# Altium PCB eva01.PcbDoc (part 3 of 4)
Units mm, origin at the board's own origin, x right, y up, seen from the top; angles counter-clockwise.
Board outline 84 x 120 mm, 4 copper layers (Top Layer, Inner, GND, Bottom Layer), stack 1.668 mm thick; 205 components, 261 nets, 1028 pads, 1169 vias.
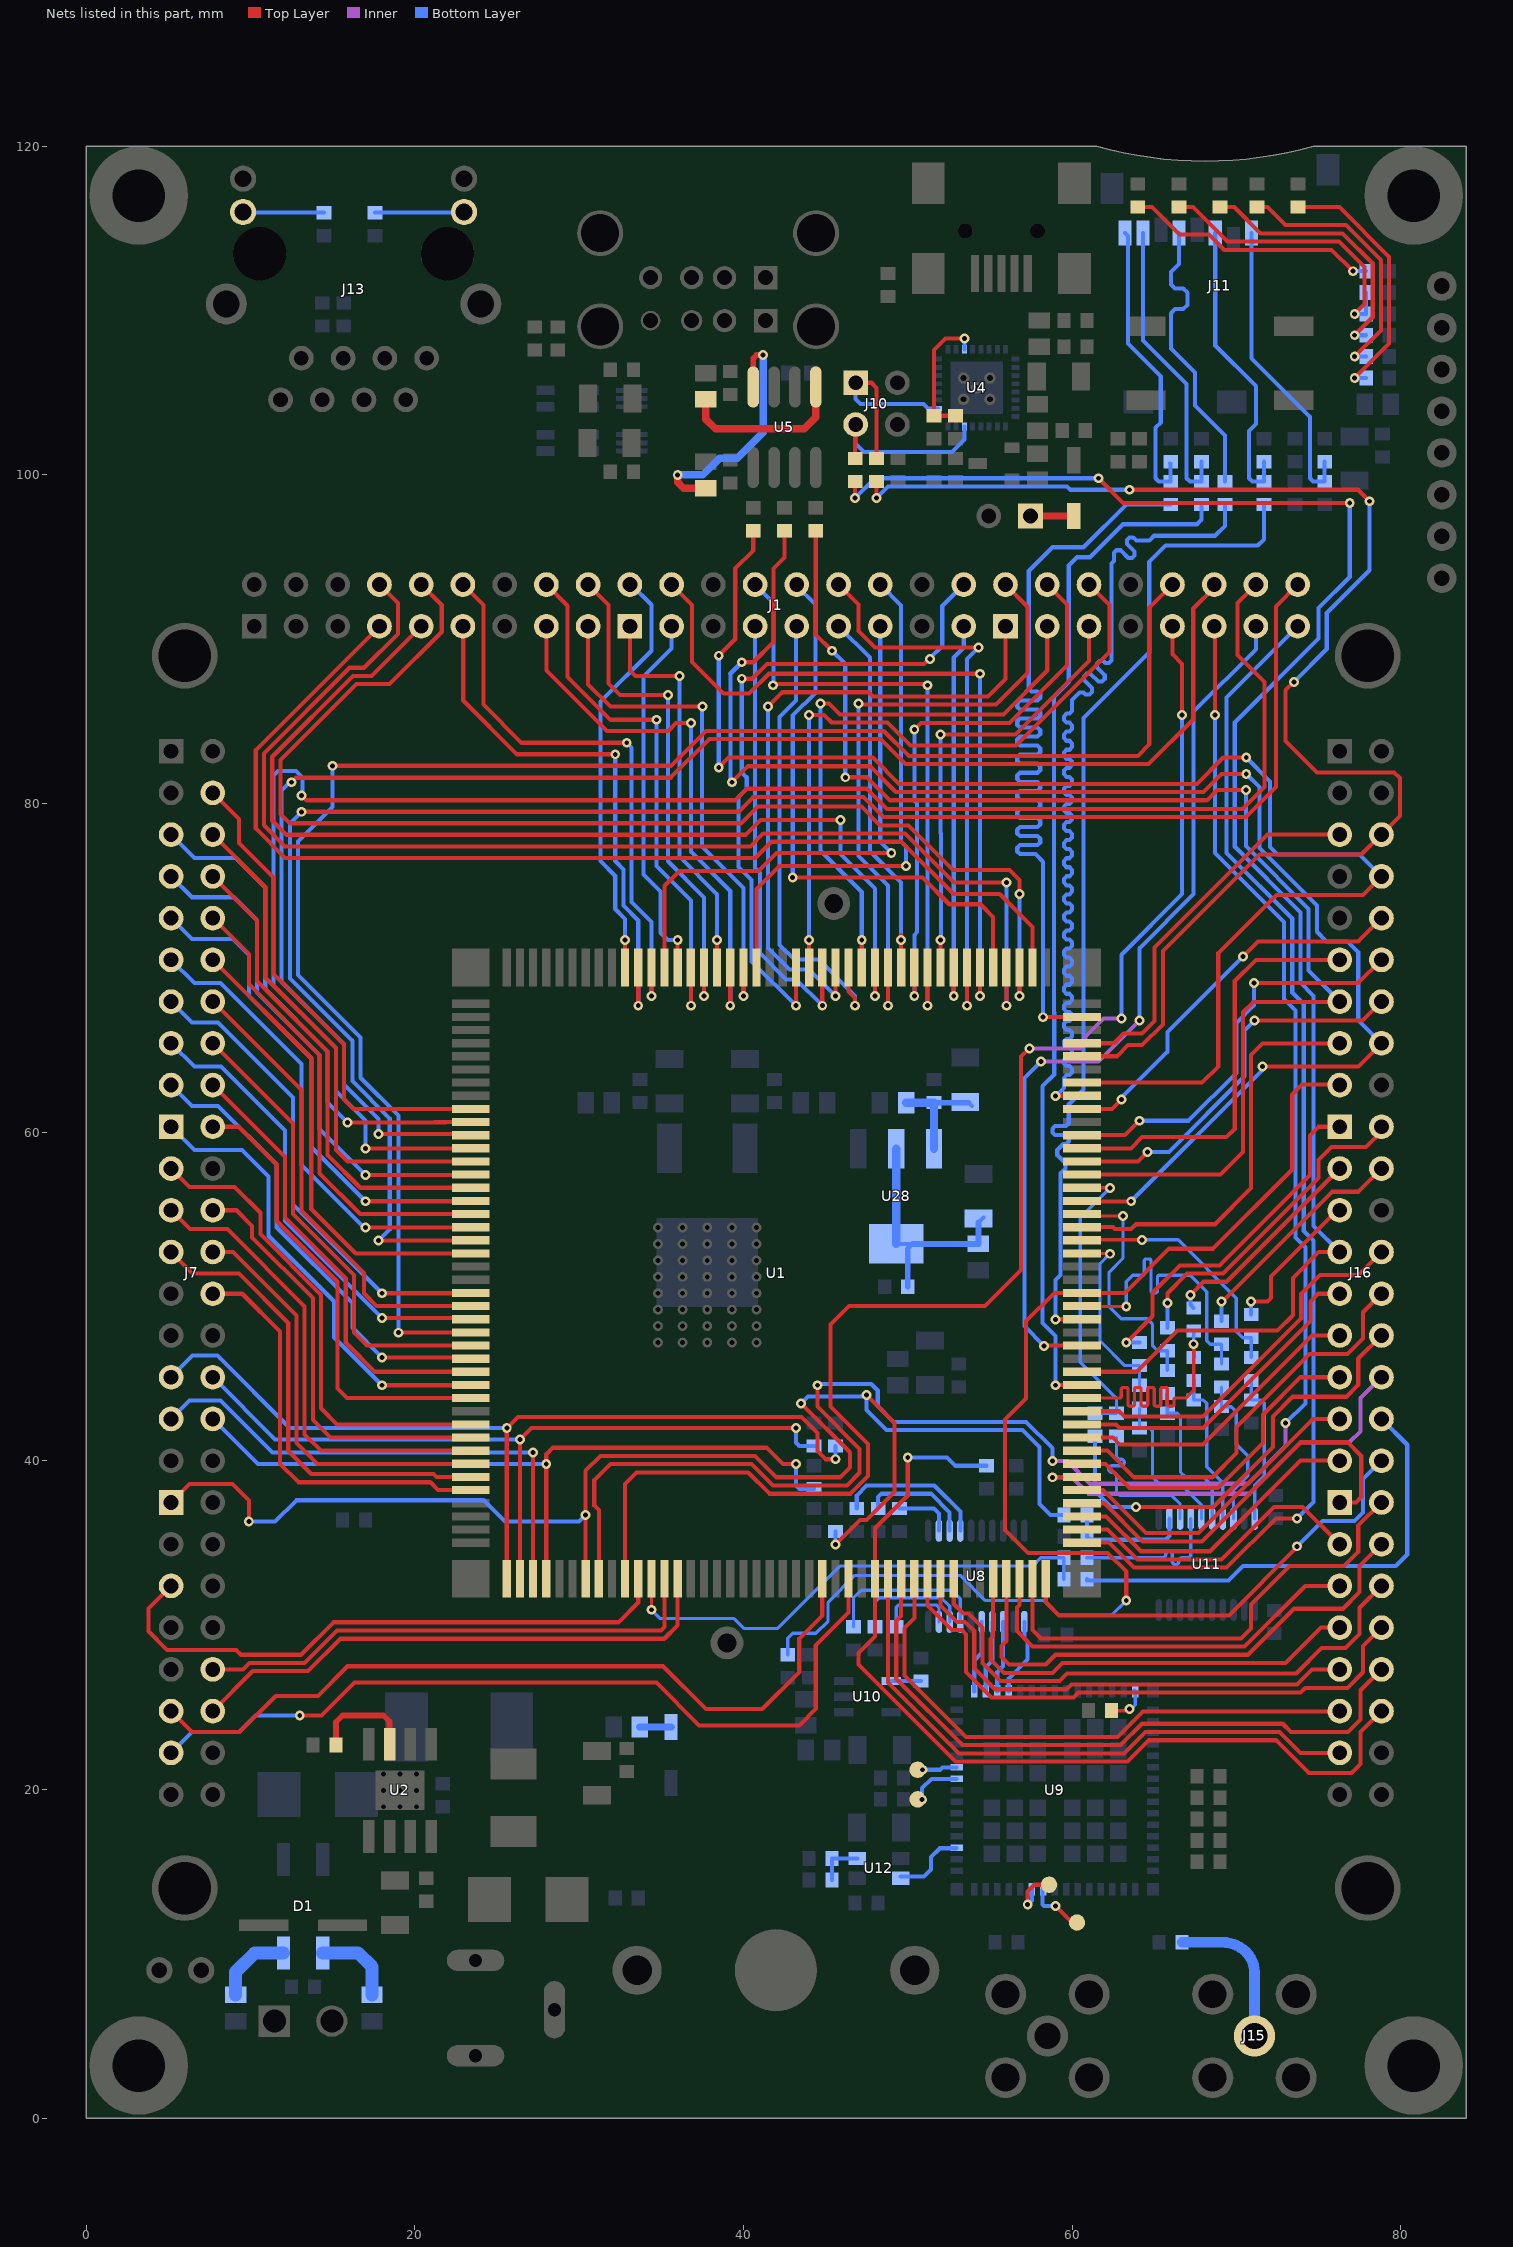
[diagram p5: the nets of this part, all layers, seen from the top]

## Via types
v1: diameter 0.6, hole 0.3, Top Layer to Bottom Layer, 1165 vias
v2: diameter 0.5, hole 0.25, Top Layer to Bottom Layer, 4 vias

## Nets (pads, with @x,y where several pads share a name; then routed paths per layer and width w, separated by ;. In a path a pad name is that pad's centre, name@x,y a point inside that pad or via, vN(x,y) a via of type N, cw(c..) or ccw(c..) an arc to the next point about the centre after c; other vN are vias at no path point) (continued)
NetC46_2: C46.2 J15.1 | length 9.3
  Bottom Layer w0.65: C46.2@66.7,10.7 69.151,10.7 cw(c69.151,8.651) 70.6,10.1 cw(c69.393,8.893) 71.1,8.893 J15.1@71.1,5
NetC49_1: C49.1 C73.2 L12.2 U28.3 | length 6.9
  Bottom Layer w0.25: C49.1@53.7,61.8 C49.1@53.9,61.6
  Bottom Layer w0.35: C73.2@51.6,61.8 C49.1@53.7,61.8
  Bottom Layer w0.5: L12.2@49.9,61.8 C73.2@51.6,61.8 U28.3@51.6,59
NetC50_1: C50.1 C74.2 L16.2 U28.2 U28.4 | length 15
  Bottom Layer w0.25: U28.4@49.5,53.2 50.3,53.2 U28.4@50,52.9 ; C50.1@54.3,54.5 C50.1@54.6,54.8
  Bottom Layer w0.35: C74.2@50,50.6 U28.4@50,52.9 ; U28.4@50.3,53.2 L16.2@54.3,53.2 C50.1@54.3,54.5
  Bottom Layer w0.5: U28.4@49.3,53.2 U28.2@49.3,59
NetD1_AC1: D1.AC1 L3.2 | length 4.8
  Bottom Layer w0.8: L3.2@9.1,7.5 9.1,8.9 10.25,10.05 D1.AC1@12,10.05
NetD1_AC2: D1.AC2 L2.2 | length 5.1
  Bottom Layer w0.8: D1.AC2@14.4,10.05 16.55,10.05 17.4,9.2 L2.2@17.4,7.5
NetD3_2: D3.2 R14.2 R15.2 | length 17.9
  Top Layer w0.25: D3.2@66.5,116.3 67.37,116.3 69.469,114.2 76.255,114.2 77.8,112.655 77.8,110.4 v1(77.2,109.8)
  Bottom Layer w0.25: v1(77.2,109.8) R14.2@77.9,109.8 R15.2@77.9,111.1
NetD4_2: D4.2 R16.2 | length 16.2
  Top Layer w0.25: D4.2@69,116.3 69.87,116.3 71.469,114.7 76.462,114.7 78.3,112.862 78.3,109.6 v1(77.2,108.5)
  Bottom Layer w0.25: v1(77.2,108.5) R16.2@77.9,108.5
NetD5_2: D5.2 R17.2 | length 16.1
  Top Layer w0.25: D5.2@71.25,116.3 71.9,116.3 73,115.2 76.669,115.2 78.8,113.069 78.8,108.8 v1(77.2,107.2)
  Bottom Layer w0.25: v1(77.2,107.2) R17.2@77.9,107.2
NetD6_2: D6.2 L17.1 | length 1.9
  Bottom Layer w0.45: L17.1@33.7,23.8 D6.2@35.6,23.8
NetD7_1: D7.1 J4.1 | length 2.6
  Top Layer w0.45: J4.1@57.47,97.5 D7.1@60.1,97.5
NetD8_2: D8.2 R8.2 | length 15.5
  Top Layer w0.25: D8.2@64,116.3 64.87,116.3 66.538,114.631 68.331,114.631 69.262,113.7 75.8,113.7 v1(77.1,112.4)
  Bottom Layer w0.25: v1(77.1,112.4) R8.2@77.9,112.4
NetD17_2: D17.2 R150.2 | length 15.7
  Top Layer w0.25: D17.2@73.75,116.3 76.276,116.3 79.3,113.276 79.3,108 v1(77.2,105.9)
  Bottom Layer w0.25: v1(77.2,105.9) R150.2@77.9,105.9
NetJ10_1: J10.1 R38.2 U4.2 | length 12
  Top Layer w0.25: J10.1@46.83,105.61 47.79,105.61 48.1,105.3 R38.2@48.1,101
  Bottom Layer w0.25: J10.1@46.83,105.61 46.83,104.61 47.12,104.32 50.96,104.32 51.23,104.05 U4.2@51.85,104.05
NetJ10_3: J10.3 R37.2 U4.30 | length 11.2
  Top Layer w0.25: R37.2@46.8,101 46.8,103.04 J10.3@46.83,103.07
  Bottom Layer w0.25: J10.3@46.83,103.07 46.83,101.91 47.34,101.4 52.7,101.4 53.45,102.15 U4.30@53.45,102.95
NetJ13_9: J13.9 R55.1 | length 5.6
  Bottom Layer w0.25: R55.1@17.575,115.96 J13.9@23.175,115.96
NetJ13_11: J13.11 R56.1 | length 4.9
  Bottom Layer w0.25: J13.11@9.55,116 9.59,115.96 R56.1@14.475,115.96
NetL8_2: L8.2 U5.8 | length 15.7
  Top Layer w0.35: U5.8@40.595,105.35 40.595,107.095 40.8,107.3 v1(41.2,107.3)
  Top Layer w0.45: v1(36,100) 36,99.555 36.355,99.2 L8.2@37.7,99.2
  Bottom Layer w0.45: v1(36,100) 37.527,100 38.552,101.025 39.625,101.025 41.2,102.6 v1(41.2,107.3)
NetL9_2: L9.2 U5.5 | length 10.3
  Top Layer w0.45: L9.2@37.7,104.6 37.7,103.4 38.3,102.8 43.7,102.8 44.405,103.505 U5.5@44.405,105.35
NetR13_2: R13.2 U2.3 | length 6.4
  Top Layer w0.35: R13.2@15.2,22.7 15.2,24.1 15.6,24.5 18.1,24.5 18.465,24.135 U2.3@18.465,22.75
NetR35_2: R35.2 R36.2 U4.11 | length 8.1
  Top Layer w0.25: R36.2@52.9,103.6 R35.2@51.6,103.6 51.6,107.6 52.3,108.3 v1(53.45,108.3)
  Bottom Layer w0.25: U4.11@53.45,107.65 v1(53.45,108.3)
NetR63_1: R63.1 U9.64 | length 2.5
  Top Layer w0.2: R63.1@62.4,24.8 63.439,24.8 63.5,24.861 v1(63.5,24.9)
  Bottom Layer w0.2: v1(63.5,24.9) 63.6,24.9 63.85,25.15 U9.64@63.85,25.975
  Bottom Layer w0.25: U9.64@63.8,26.025 U9.64@63.85,25.975
NetR65_1: R65.1 U8.7 | length 10.1
  Bottom Layer w0.2: R65.1@46.7,29.9 46.7,31.664 47.161,32.125 52.689,32.125 53.2,31.614 U8.7@53.2,30.2
NetR66_1: R66.1 U8.14 | length 9.2
  Bottom Layer w0.25: R66.1@46.9,37.1 46.9,37.9 47.5,38.5 51.614,38.5 53.2,36.914 U8.14@53.2,35.75
NetR67_1: R67.1 U8.8 | length 7.3
  Bottom Layer w0.2: R67.1@48,29.9 48,31.4 48.275,31.675 52.025,31.675 52.55,31.15 U8.8@52.55,30.2
NetR68_1: R68.1 U8.13 | length 6.7
  Bottom Layer w0.25: R68.1@48.2,37.1 48.2,37.8 48.4,38 51.407,38 52.55,36.857 U8.13@52.55,35.75
NetR69_1: R69.1 U8.9 | length 4.8
  Bottom Layer w0.2: R69.1@49.3,29.9 49.3,31.1 49.425,31.225 51.775,31.225 51.9,31.1 U8.9@51.9,30.2
NetR71_1: R71.1 U8.12 | length 3.6
  Bottom Layer w0.25: R71.1@49.5,37.1 51.6,37.1 51.9,36.8 U8.12@51.9,35.75
NetR72_2: R72.2 R80.1 U11.18 | length 9.4
  Bottom Layer w0.2: R80.1@69.1,44.5 R72.2@69.1,43.3 69.7,43.3 70,43 70,41 70.7,40.3 70.7,39.1 69.825,38.225 U11.18@69.825,36.475
NetR73_2: R73.2 R82.1 U11.16 | length 9.7
  Bottom Layer w0.2: R82.1@65.8,44.1 R73.2@65.8,42.9 66.4,42.9 66.6,42.7 66.6,39.3 66.85,39.05 67.95,39.05 68.525,38.475 U11.16@68.525,36.475
NetR74_2: R74.2 R83.1 U11.15 | length 9.4
  Bottom Layer w0.2: R83.1@64.1,43.2 R74.2@64.1,42 64.7,42 64.9,41.8 64.9,39 65.45,38.45 66.75,38.45 67.875,37.325 U11.15@67.875,36.475
NetR75_2: R75.2 R81.1 U11.17 | length 9.5
  Bottom Layer w0.2: R81.1@67.4,44.9 R75.2@67.4,43.7 68,43.7 68.2,43.5 68.2,39.639 69.175,38.664 U11.17@69.175,36.475
NetR76_2: R76.2 R79.1 U11.20 | length 9.3
  Bottom Layer w0.2: R79.1@70.9,44.9 R76.2@70.9,43.7 71.5,43.7 71.7,43.5 71.7,39.1 71.125,38.525 U11.20@71.125,36.475
NetR77_1: R77.1 U10.4 | length 1.8
  Bottom Layer w0.25: U10.4@49,26.6 R77.1@50.8,26.6
NetR78_2: R78.2 R86.1 U11.12 | length 7.6
  Bottom Layer w0.25: R86.1@60.9,36.7 R78.2@60.9,35.4 61.1,35.2 65.7,35.2 65.925,35.425 U11.12@65.925,36.475
NetR84_1: R84.1 U11.14 | length 9.7
  Bottom Layer w0.2: R84.1@60.9,34.1 63.5,34.1 65.5,34.1 ccw(c65.5,34.3) 65.7,34.3 65.7,34.309 cw(c65.9,34.309) 65.9,34.509 cw(c65.9,34.309) 66.1,34.309 66.1,34.1 66.1,33.891 ccw(c66.3,33.891) 66.3,33.691 ccw(c66.3,33.891) 66.5,33.891 66.5,33.9 cw(c66.7,33.9) 66.7,34.1 67.1,34.1 67.225,34.225 U11.14@67.225,36.475
NetR85_1: R85.1 U11.13 | length 9.7
  Bottom Layer w0.2: R85.1@62.7,41.4 62.7,40.7 62.7,40.3 ccw(c62.9,40.3) 62.9,40.1 62.972,40.1 cw(c62.972,39.9) 63.172,39.9 cw(c62.972,39.9) 62.972,39.7 62.7,39.7 62.428,39.7 ccw(c62.428,39.5) 62.228,39.5 ccw(c62.428,39.5) 62.428,39.3 62.5,39.3 cw(c62.5,39.1) 62.7,39.1 62.7,38.1 62.9,37.9 66.049,37.9 66.575,37.374 U11.13@66.575,36.475
NetR87_2: R87.2 R94.2 U12.1 | length 2.8
  Bottom Layer w0.25: R87.2@45.4,14.5 R94.2@45.4,15.8 U12.1@46.925,15.8
NetTp5_1: Tp5.1 U9.43 | length 2.2
  Bottom Layer w0.25: v1(50.9,21.2) 51.962,21.2 52.112,21.35 U9.43@52.975,21.35 U9.43@52.925,21.3
NetTp6_1: Tp6.1 U9.42 | length 3
  Bottom Layer w0.25: v1(50.878,19.378) 50.878,20.078 51.45,20.65 U9.42@52.975,20.65
NetTp7_1: Tp7.1 U9.26 | length 3.5
  Top Layer w0.25: v1(59,12.9) 60,11.9 Tp7.1@60.3,11.9
  Bottom Layer w0.25: U9.26@58.2,13.9 58.2,13 58.3,12.9 v1(59,12.9)
NetTp8_1: Tp8.1 U9.27 | length 3.3
  Top Layer w0.25: v1(57.3,13) 57.3,13.8 57.7,14.2 Tp8.1@58.6,14.2
  Bottom Layer w0.25: v1(57.3,13) 57.55,13.25 U9.27@57.55,13.925
NetU8_1: U8.1 U9.53 | length 4.8
  Bottom Layer w0.25: U9.53@56.15,25.975 56.15,26.75 57.3,27.9 57.3,29 57.1,29.2 U8.1@57.1,30.2
NetU8_3: U8.3 U9.52 | length 4.4
  Bottom Layer w0.25: U9.52@55.45,25.975 55.45,27.15 55.8,27.5 U8.3@55.8,30.2
NetU8_4: U8.4 U9.51 | length 4.4
  Bottom Layer w0.25: U9.51@54.75,25.975 54.75,27.45 55.15,27.85 U8.4@55.15,30.2
NetU8_5: U8.5 U9.50 | length 4.4
  Bottom Layer w0.25: U9.50@54.05,25.975 54.05,27.85 54.5,28.3 U8.5@54.5,30.2
NetU9_36: U9.36 U12.3 | length 4.6
  Bottom Layer w0.25: U12.3@49.575,14.7 51,14.7 51.425,15.125 51.425,15.9 51.95,16.425 52.975,16.425 U9.36@52.975,16.45
PA0_LCDDAT0_TMS_A7: J1.42 U1.61 | length 41.4
  Top Layer w0.25: U1.61@44,70.02 v1(44,71.7) ; v1(44,85.4) 44.9,85.4 45.375,84.925 48.775,84.925 50.175,83.525 56.582,83.525 62.28,89.223 62.28,92.08 J1.42@61.03,93.33
  Bottom Layer w0.25: v1(44,71.7) v1(44,85.4)
PA1_LCDDAT1_F6: J1.41 U1.51 | length 27.2
  Top Layer w0.25: U1.51@52,70.02 v1(52,71.7) ; v1(52,84.2) 56.55,84.2 61.03,88.68 J1.41@61.03,90.79
  Bottom Layer w0.25: v1(52,71.7) 52.025,71.725 52.025,78.175 52,78.2 v1(52,84.2)
PA2_LCDDAT2_G1_TXCK_E6: J1.40 U1.53 | length 34.4
  Top Layer w0.25: v1(50.4,68.3) U1.53@50.4,70.02 ; v1(50.4,84.5) 50.8,84.9 56.2,84.9 59.7,88.4 59.7,92.12 J1.40@58.49,93.33
  Bottom Layer w0.25: v1(50.4,68.3) 50.4,72 50.575,72.175 50.575,80 50.4,80.175 v1(50.4,84.5)
PA3_LCDDAT3_G1_RXCK_C6: J1.39 U1.57 | length 35
  Top Layer w0.25: v1(44.7,86.1) 45.2,86.1 45.875,85.425 55.818,85.425 58.49,88.097 J1.39@58.49,90.79 ; U1.57@47.2,70.02 47.2,71.667 47.167,71.7 v1(47.2,71.7)
  Bottom Layer w0.25: v1(44.7,86.1) 44.7,77.13 47.2,74.63 v1(47.2,71.7)
PA4_LCDDAT4_G1_TXEN_D6: J1.38 U1.55 | length 38.5
  Top Layer w0.25: v1(47,86.1) 47.075,86.025 55.375,86.025 57.3,87.95 57.3,91.98 J1.38@55.95,93.33 ; v1(48.8,67.7) U1.55@48.8,70.02
  Bottom Layer w0.25: v1(47,86.1) 47,76.81 48.8,75.01 v1(48.8,67.7)
PA5_LCDDAT5_G1_TXER_B6: J1.37 U1.59 | length 40.2
  Top Layer w0.25: v1@41.623,86.023 42.2,86.6 42.375,86.775 47.625,86.775 47.875,86.525 54.892,86.525 55.95,87.583 J1.37@55.95,90.79 ; v1@45.6,68.2 U1.59@45.6,70.02
  Bottom Layer w0.25: v1(41.5,85.9) 41.5,71.2 42.8,69.9 44,69.9 v1(45.6,68.3)
PA6_LCDDAT6_G1_CRS_A6: J1.36 U1.62 | length 41.3
  Top Layer w0.25: v1(39.9,87.6) 40.538,87.6 41.438,88.5 51,88.5 51.3,88.8 v1(51.35,88.8) ; v1(43.2,67.7) U1.62@43.2,70.02
  Bottom Layer w0.25: v1(39.9,87.6) 39.9,81.9 40.2,81.6 40.2,80.9 39.7,80.4 39.7,76.15 40.5,75.35 40.5,70.4 v1(43.2,67.7) ; v1(51.35,88.8) 51.35,88.85 52.1,89.6 52.1,92.02 J1.36@53.41,93.33
PA7_LCDDAT7_E5: J1.35 U1.50 | length 24.5
  Top Layer w0.25: v1(52.8,68.3) U1.50@52.8,70.02
  Bottom Layer w0.25: v1(52.8,68.3) 52.8,88.9 53.41,89.51 J1.35@53.41,90.79
PA8_LCDDAT8_TCK_A5: J1.32 U1.65 | length 32.2
  Top Layer w0.25: U1.65@40.8,70.02 40.8,74.8 42.2,76.2 v1(49.9,76.2)
  Bottom Layer w0.25: J1.32@48.33,93.33 49.6,92.06 49.6,77.7 49.9,77.4 v1(49.9,76.2)
PA9_LCDDAT9_G1_COL_F4: J1.31 U1.72 | length 33.7
  Top Layer w0.25: U1.72@35.2,70.02 35.2,75 36.1,75.9 40.91,75.9 42.01,77 v1(49,77)
  Bottom Layer w0.25: J1.31@48.33,90.79 48.33,77.67 v1(49,77)
PA10_LCDDAT10_G1_RXDV_F5: J1.30 U1.49 | length 37.3
  Top Layer w0.25: J1.30@45.79,93.33 47,92.12 47,90.5 48,89.5 v1(54.3,89.5) ; v1(53.6,67.7) U1.49@53.6,70.02 53.6,68.2
  Bottom Layer w0.25: v1(53.6,67.7) 53.6,88.8 v1(54.3,89.5)
PA11_LCDDAT11_G1_RXER_D5: J1.29 U1.54 | length 22.9
  Top Layer w0.25: U1.54@49.6,70.02 49.6,72 v1(49.6,71.7)
  Bottom Layer w0.25: J1.29@45.79,90.79 47.7,88.88 47.7,77.1 49.6,75.2 v1(49.6,71.7)
PA12_LCDDAT12_G1_RX0_G5: J1.28 U1.47 | length 35.2
  Top Layer w0.25: v1(43,75.5) 50.9,75.5 52.525,73.875 54.425,73.875 55.2,73.1 U1.47@55.2,70.02
  Bottom Layer w0.25: v1(43,75.5) 43,85.355 44.375,86.729 44.375,92.105 43.2,93.28 J1.28@43.25,93.33
PA13_LCDDAT13_G1_RX1_C5: J1.27 U1.58 | length 29.4
  Top Layer w0.25: U1.58@46.4,70.02 46.4,68.567 46.8,68.167 v1(46.8,67.7)
  Bottom Layer w0.25: J1.27@43.2,91.4 43.2,86.262 42.2,85.262 42.2,71.4 43.1,70.5 44.6,70.5 46.8,68.3 v1(46.8,67.7)
PA14_LCDDAT14_G1_TX0_E4: J1.26 U1.52 | length 37.9
  Top Layer w0.25: v1(41.8,87.2) 41.875,87.275 51.125,87.275 v1(51.2,87.2) ; v1(51.2,67.7) U1.52@51.2,70.02
  Bottom Layer w0.25: J1.26@40.71,93.33 41.835,92.205 41.835,87.235 v1(41.8,87.2) ; v1(51.2,67.7) v1(51.2,87.2)
PA15_LCDDAT15_G1_TX1_B5: J1.25 U1.60 | length 28.1
  Top Layer w0.25: v1(44.8,67.7) U1.60@44.8,70.02
  Bottom Layer w0.25: J1.25@40.7,91.4 40.7,76.093 41,75.793 41,70.9 42.6,69.3 43.2,69.3 v1(44.8,67.7)
PA16_LCDDAT16_NTRST_H6: J1.22 U1.48 | length 45.1
  Top Layer w0.25: J1.22@35.63,93.33 36.88,92.08 36.88,88.62 38.8,86.7 40.345,86.7 41.545,87.9 v1(54.4,87.9) ; v1@54.4,68.567 U1.48@54.4,70.02
  Bottom Layer w0.25: v1(54.4,68.3) v1(54.4,87.9)
PA17_LCDDAT17_D4: J1.21 U1.71 | length 22.7
  Top Layer w0.25: J1.21@35.63,90.79 J1.21@35.65,90.77 ; U1.71@36,70.02 v1(36,71.7)
  Bottom Layer w0.25: J1.21@35.63,90.79 35.63,89.43 33.925,87.725 33.925,75.675 34.963,74.638 34.963,72.138 35.4,71.7 v1(36,71.7)
PA18_LCDDAT18_G1_RX2_G4: J1.20 U1.75 | length 25.8
  Top Layer w0.25: U1.75@32.8,70.02 v1(32.8,71.7)
  Bottom Layer w0.25: v1(32.8,71.7) 32.8,72.986 32.2,73.586 32.2,75.6 31.3,76.5 31.3,86.2 34.4,89.3 34.4,92.1 33.17,93.33 J1.20@33.09,93.33
PA19_LCDDAT19_G1_RX3_C4: J1.19 U1.68 | length 24.6
  Top Layer w0.25: J1.19@33.09,90.79 33.09,88.11 33.433,87.767 v1(36.1,87.767) ; U1.68@38.4,70.02 38.3,70.12 38.4,70.22 v1(38.4,71.7)
  Bottom Layer w0.25: v1(36.1,87.767) 36.1,76.78 38.4,74.48 v1(38.4,71.7)
PA20_LCDDAT20_G1_TX2_A3: J1.18 U1.69 | length 31.4
  Top Layer w0.25: J1.18@30.55,93.33 31.8,92.08 31.8,87.3 32.5,86.6 v1(35.4,86.6) ; v1(37.6,68.3) U1.69@37.6,70.02
  Bottom Layer w0.25: v1(35.4,86.6) 35.4,76.49 37.6,74.29 v1(37.6,68.3)
PA21_LCDDAT21_G1_TX3_B4: J1.17 U1.66 | length 31.5
  Top Layer w0.25: J1.17@30.55,90.79 30.55,87.25 31.9,85.9 v1(37.5,85.9) ; v1(40,68.3) U1.66@40,70.02
  Bottom Layer w0.25: v1(37.5,85.9) 37.4,85.9 37.475,85.825 37.475,77.385 40,74.86 v1(40,68.3)
PA22_LCDDAT22_G1_MDC_B3: J1.16 U1.70 | length 33.2
  Top Layer w0.25: J1.16@28.01,93.33 29.3,92.04 29.3,87.7 31.9,85.1 v1(34.7,85.1) ; v1(36.8,67.7) U1.70@36.8,70.02
  Bottom Layer w0.25: v1(34.7,85.1) 34.7,76.2 36.8,74.1 v1(36.8,67.7)
PA23_LCDDAT23_G1_MDIO_A4: J1.15 U1.67 | length 33.7
  Top Layer w0.25: J1.15@28.01,90.79 28.01,88.1 31.685,84.425 35.425,84.425 35.9,84.9 v1(36.8,84.9) ; v1(39.2,67.7) U1.67@39.2,70.02
  Bottom Layer w0.25: v1(36.8,84.9) 36.8,77.07 39.2,74.67 v1(39.2,67.7)
PA24_LCDPWM_PCK0_H5: J1.10 U1.45 | length 76
  Top Layer w0.25: J1.10@20.39,93.33 21.64,92.08 21.64,90.449 18.457,87.266 16.448,87.266 11.825,82.644 11.825,79.375 12.4,78.8 39.85,78.8 40.875,79.825 47.175,79.825 48.325,78.675 50.039,78.675 52.757,75.957 56.197,75.957 56.8,75.354 v1(56.8,74.5) ; v1(56.8,68.3) U1.45@56.8,70.02
  Bottom Layer w0.25: v1(56.8,68.3) v1(56.8,74.5)
PA25_LCDDISP_TD0_F3: J1.12 U1.73 | length 35.3
  Top Layer w0.25: J1.12@22.93,93.33 24.18,92.08 24.18,86.02 26.5,83.7 v1(32.9,83.7) ; v1(34.4,68.3) U1.73@34.4,70.02
  Bottom Layer w0.25: v1(32.9,83.7) 33.2,83.4 33.2,74 34.4,72.8 v1(34.4,68.3)
PA26_LCDVSYNC_PWMH0_SP1_NPCS1_E3: J1.9 U1.56 | length 65
  Top Layer w0.25: J1.9@20.39,90.79 17.366,87.766 16.241,87.766 11.325,82.851 11.325,78.975 12.2,78.1 40.14,78.1 41.04,79 v1(45.9,79) ; v1(48,68.3) 48,68.2 U1.56@48,70.02
  Bottom Layer w0.25: v1(45.9,79) 45.9,76.92 48,74.82 v1(48,68.3)
PA27_LCDHSYNC_PWML0_SPI1_NPCS2_H4: J1.7 U1.44 | length 68.5
  Top Layer w0.25: J1.7@17.85,90.79 10.325,83.265 10.325,78.475 12.1,76.7 40.72,76.7 41.695,77.675 49.625,77.675 52.8,74.5 55.6,74.5 57.6,72.5 U1.44@57.6,70.02
PA28_LCDPCK_PWMH1_SP1_NPCS3_G3: J1.11 U1.74 | length 33.3
  Top Layer w0.25: J1.11@22.93,90.79 22.95,90.77 22.95,86.27 26.22,83 v1(32.2,83) ; v1(33.6,67.7) U1.74@33.6,70.02
  Bottom Layer w0.25: v1(32.2,83) 32.2,76.5 32.7,76 32.7,73.793 33.6,72.893 v1(33.6,67.7)
PA29_LCDDEN_PWML1_J5: J1.8 U1.46 | length 76.1
  Top Layer w0.25: J1.8@17.85,93.33 18.975,92.205 18.975,90.324 16.917,88.266 16.034,88.266 10.825,83.058 10.825,78.682 12.107,77.4 40.43,77.4 41.205,78.175 49.832,78.175 52.807,75.2 v1(56,75.2) ; v1(56,67.7) U1.46@56,70.02
  Bottom Layer w0.25: v1(56,67.7) v1(56,75.2)
PA30_TWD0_D3: J7.48 U1.140 | length 33.3
  Top Layer w0.25: J7.48@7.71,24.77 10.14,27.2 13.493,27.2 15.468,29.175 35.182,29.175 36,29.993 U1.140@36,32.82
PA31_TWCK0_J4: J7.46 U1.139 | length 31.5
  Top Layer w0.25: J7.46@7.71,27.31 9.543,27.31 9.933,27.7 13.286,27.7 15.261,29.675 34.975,29.675 35.2,29.9 U1.139@35.2,32.82
PB1_G0_RXCK_SCK2_ISI_PCK_A2: J7.4 U1.93 | length 29.9
  Top Layer w0.25: J7.4@7.71,80.65 9.3,79.06 9.3,77.6 11.4,75.5 11.4,69.628 15.7,65.328 15.7,62 16.28,61.42 U1.93@23.4,61.42
PB3_G0_TXER_CTS2_ISI_VSYNC_C2: J7.5 U1.94 | length 31.6
  Top Layer w0.25: v1(15.9,60.6) 21.24,60.6 ; 21.9,60.6 21.24,60.6 ; U1.94@23.4,60.62 21.22,60.62 21.24,60.6
  Bottom Layer w0.25: J7.5@5.17,78.11 6.585,76.695 9.105,76.695 10.9,74.9 10.9,68.714 14.7,64.914 14.7,61.8 v1(15.9,60.6)
PB4_G0_CRS_RXD2_ISI_HSYNC_J3: J7.13 U1.107 | length 29.4
  Top Layer w0.25: v1(18,50.2) 23.38,50.2 U1.107@23.4,50.22
  Bottom Layer w0.25: J7.13@5.17,67.95 6.44,66.68 8.031,66.68 12.6,62.111 12.6,55.6 v1(18,50.2)
PB5_G0_COL_TXD2_PCK2_H2: J7.11 U1.102 | length 28.6
  Top Layer w0.25: v1(17,54.2) 23.38,54.2 U1.102@23.4,54.22
  Bottom Layer w0.25: J7.11@5.17,70.49 6.585,69.075 8.176,69.075 13.1,64.151 13.1,58 16.9,54.2 v1(17,54.2)
PB10_G0_RX2_PCK2_PWML1_F1: J7.9 U1.100 | length 30
  Top Layer w0.25: v1(17,55.8) 23.38,55.8 U1.100@23.4,55.82
  Bottom Layer w0.25: J7.9@5.17,73.03 6.44,71.76 8.94,71.76 9.9,70.8 9.9,68.3 13.7,64.5 13.7,59.1 v1(17,55.8)
PB11_G0_RX3_RTS2_PWMH1_K4: J7.14 U1.108 | length 28.4
  Top Layer w0.25: J7.14@7.71,67.95 13.1,62.56 13.1,55.221 16.9,51.421 16.9,50.2 17.68,49.42 U1.108@23.4,49.42
PB14_G0_TX2_SPI2_NPCS1_PWMH0_A1: J7.6 U1.97 | length 30.8
  Top Layer w0.25: J7.6@7.71,78.11 10.9,74.92 10.9,69.421 15.2,65.121 15.2,58.914 15.894,58.22 U1.97@23.4,58.22
PB15_G0_TX3_SPI2_NPCS2_PWML0_E2: J7.8 U1.99 | length 29.4
  Top Layer w0.25: J7.8@7.71,75.57 10.4,72.88 10.4,69.214 14.7,64.914 14.7,58.6 16.68,56.62 U1.99@23.4,56.62
PB18_SPI1_MISO_K2: J1.46 U1.110 | length 104.1
  Top Layer w0.25: v1(15,82.3) 35.593,82.3 37.718,84.425 48.54,84.425 50.065,82.9 64,82.9 64.695,83.595 64.695,91.915 J1.46@66.11,93.33 ; v1(19,47.8) U1.110@23.4,47.8 ; U1.110@23.4,47.795 U1.110@23.4,47.8 ; U1.110@23.4,47.82 U1.110@23.4,47.8
  Bottom Layer w0.25: v1(15,82.3) 15,79.8 12.9,77.7 12.9,69.571 16.7,65.771 16.7,63.314 19,61.014 v1(19,47.8)
PB19_SPI1_MOSI_C1: J1.48 U1.95 | length 96.6
  Top Layer w0.25: v1(12.5,81.3) 12.775,81.575 14.38,81.575 35.575,81.575 37.925,83.925 48.333,83.925 49.858,82.4 64.655,82.4 67.375,85.12 67.375,91.875 68.69,93.19 68.79,93.19 J1.48@68.65,93.33 ; v1(17.8,59.9) 23.28,59.9 23.38,59.8 U1.95@23.4,59.82
  Bottom Layer w0.25: v1(12.5,81.3) 12.5,81.4 11.9,80.8 11.9,69.157 15.7,65.357 15.7,62.9 17.8,60.8 v1(17.8,59.9)
PB20_SPI1_SPCK__D1: J1.50 U1.96 | length 108.1
  Top Layer w0.25: v1(13.1,80.5) 13.4,80.2 39.5,80.2 40.2,80.9 47.514,80.9 48.739,79.675 70.368,79.675 71.7,81.007 71.7,87.4 70.065,89.035 70.065,92.205 J1.50@71.19,93.33 ; v1(17,59) U1.96@23.4,59 ; U1.96@23.4,58.995 U1.96@23.4,59 ; U1.96@23.4,59.02 U1.96@23.4,59
  Bottom Layer w0.25: v1(13.1,80.5) 13.175,80.575 13.175,81.579 12.78,81.975 11.675,81.975 11.4,81.7 11.4,68.921 15.2,65.121 15.2,62.5 17,60.7 v1(17,59)
PB21_SPI1_NPCS0_L3: J7.16 U1.111 | length 28.6
  Top Layer w0.25: J7.16@7.71,65.41 12.6,60.52 12.6,55.014 16.3,51.314 16.3,47.8 17.08,47.02 U1.111@23.4,47.02